# Altium PCB HAND_MULTILAYER.PcbDoc (part 3 of 3)
Units mm, origin at the board's own origin, x right, y up, seen from the top; angles counter-clockwise.
Board outline 57.4 x 57.5 mm, 4 copper layers (Top Layer, POWER, GND, Bottom Layer), stack 0.778 mm thick; 166 components, 145 nets, 650 pads, 156 vias.
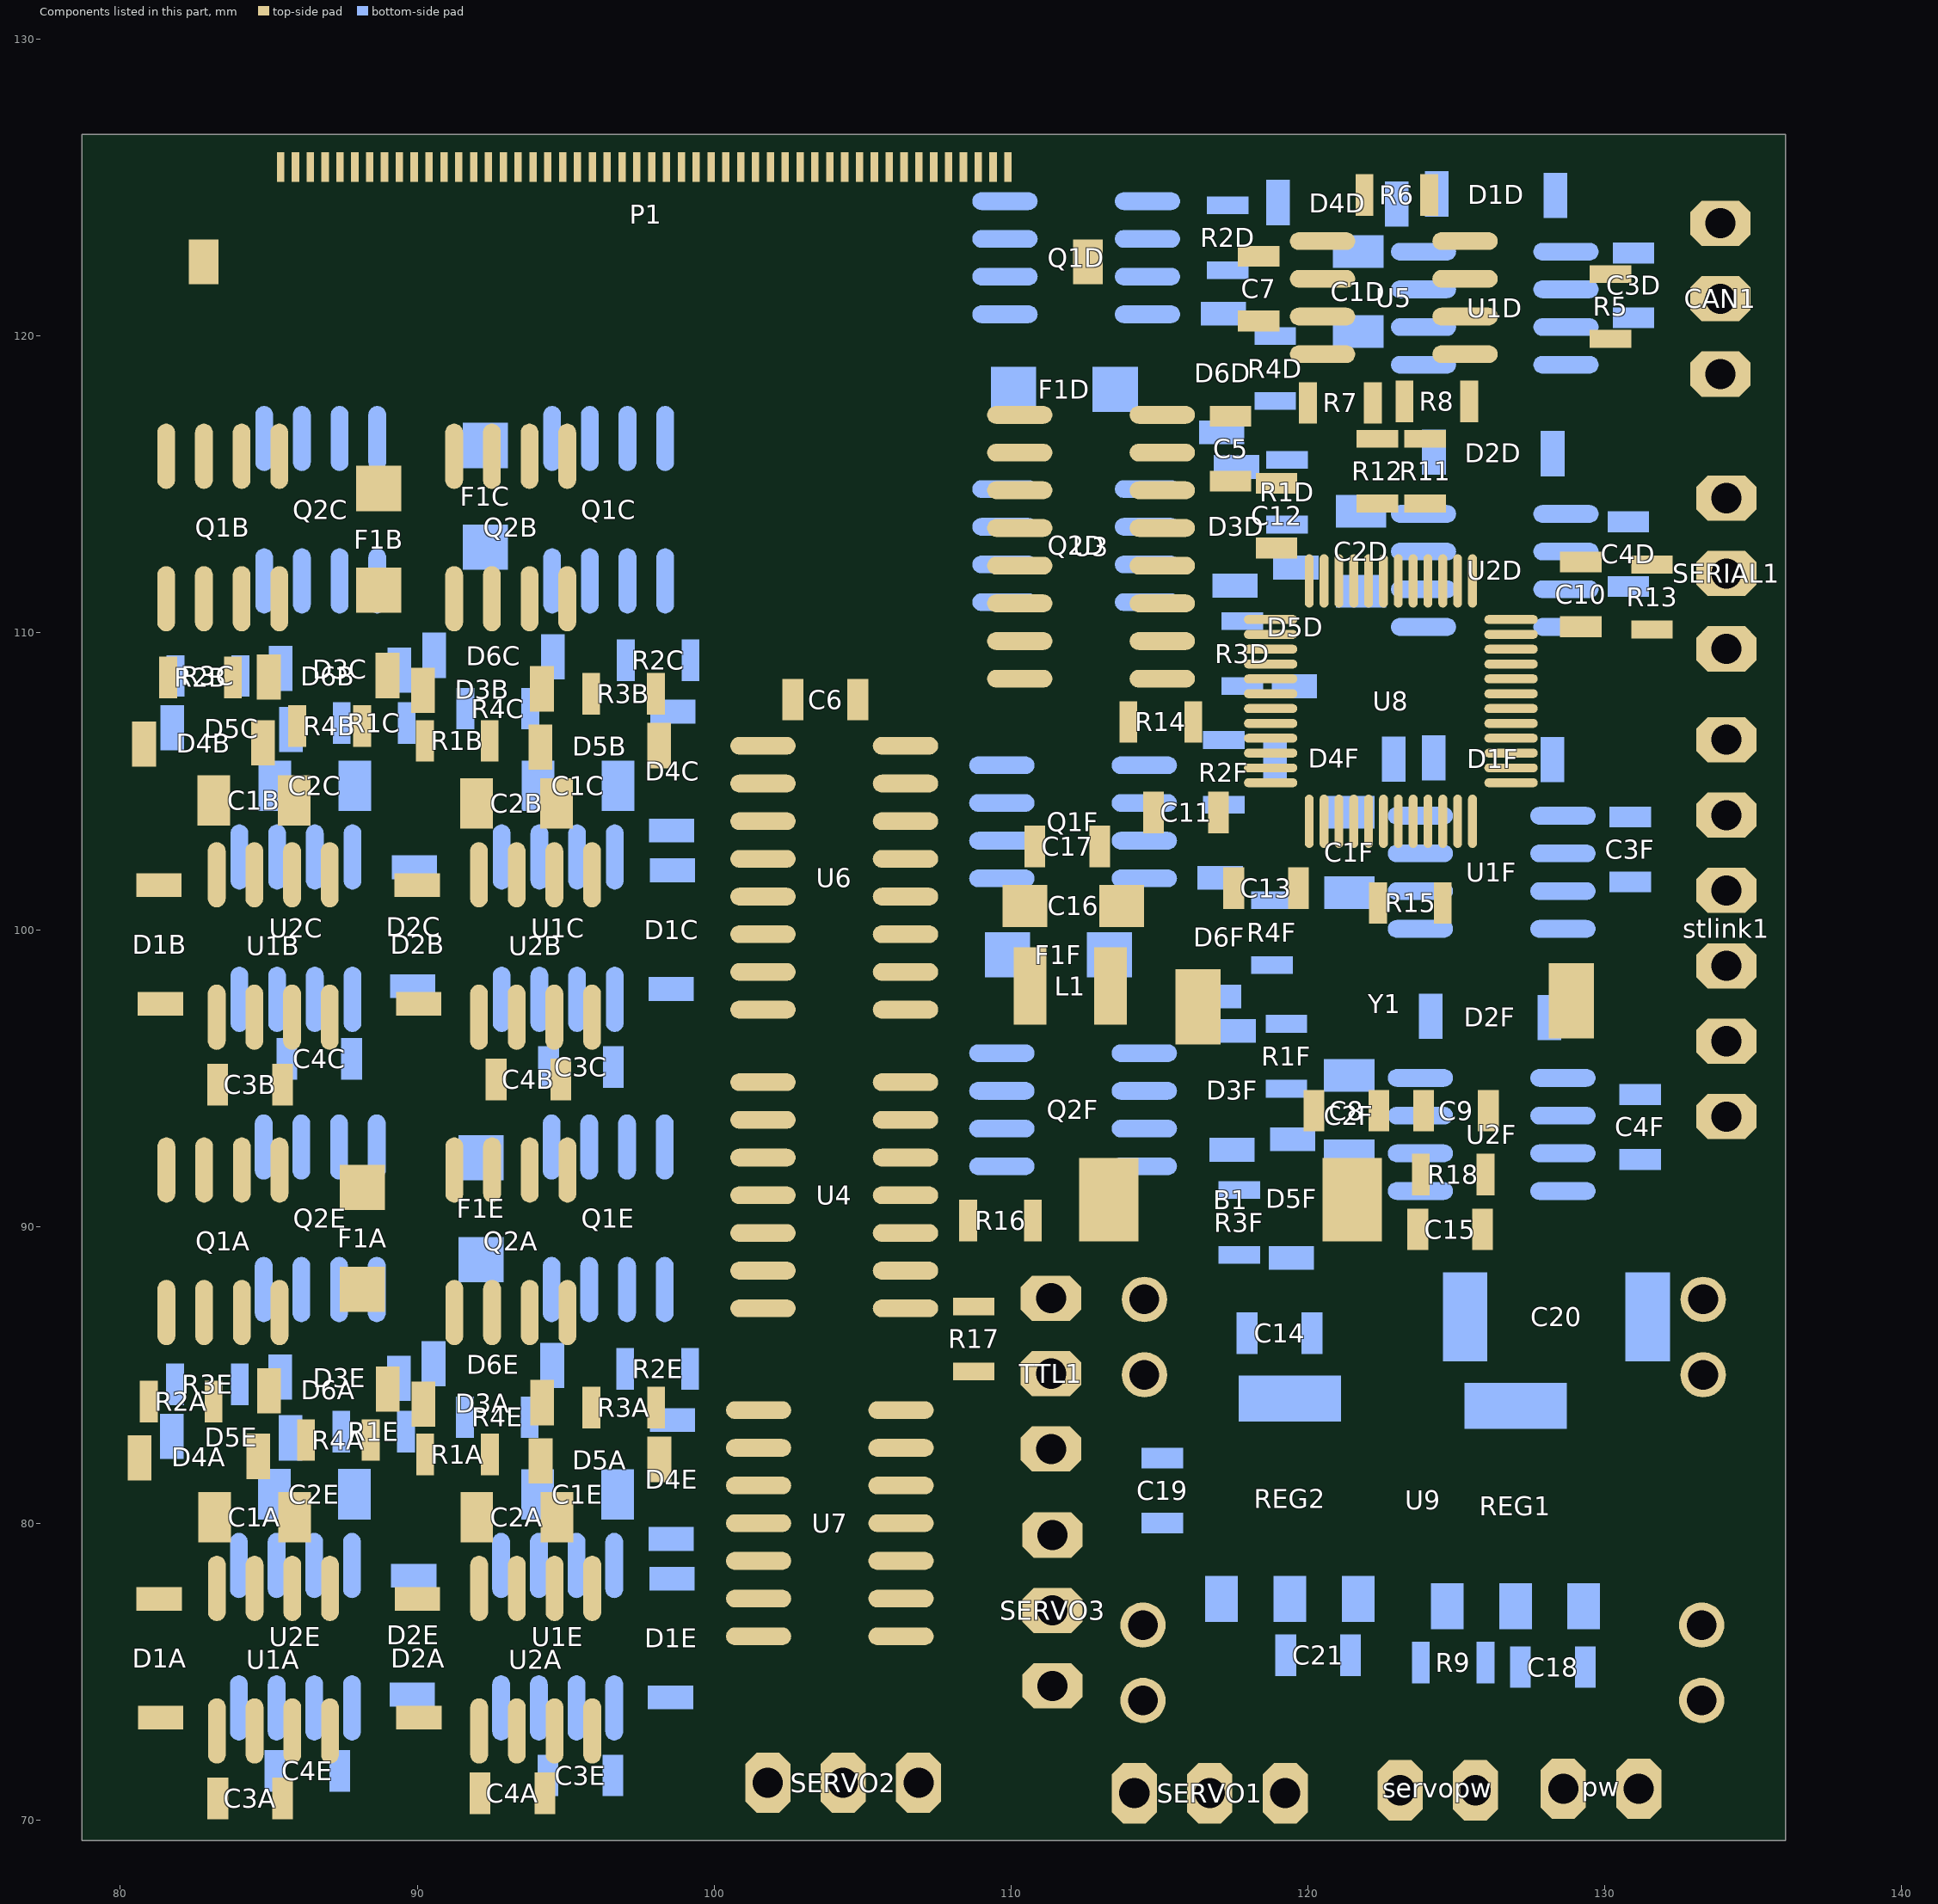
[diagram p5: the components of this part, seen from the top]

## Polygon pours and split planes (outlines as drawn) (continued)
BRIDGE_VDDA on POWER "MID_BRID_VDDA" (solid, remove dead copper, pour order 4): 135.8,91.9 135.75,91.95 131.9,91.95 131.9,96.85 130.65,98.1 112.8,98.1 112.8,126.7 112.7,126.8 78.75,126.8 78.75,69.35 78.8,69.4 135.95,69.4
GND on Bottom Layer "BOT_GND" (solid, remove dead copper, pour order 6): 78.75,126.8 136.1,126.8 136.1,69.3 78.7,69.3
GND on Top Layer "TOP_GND" (solid, remove dead copper, pour order 8): 78.75,126.8 135.95,126.8 135.95,69.45 136.1,69.3 78.95,69.3

## Keep-outs
Keep-Out Layer:
  the board outline again, w0.7

## Other copper
Top Layer:
  rectangle net GND: 120.8,77.85 123.05,79.9
  text "V1.0" at 80.75,120.45 h0.8 r90
Bottom Layer:
  rectangle net GND: 120.85,78.45 123,79.8

## Silkscreen, mask and mechanical layers (free items; w line width, h text height)
Top Overlay:
  lines w0.254: 79,128.446 79,128.954 ; 80.524,128.192 79,128.7 ; 80.524,129.208 79,128.7 ; 101.2,128.7 79,128.7 ; 114.201,128.7 136.4,128.7 ; 134.876,128.192 136.4,128.7 ; 134.876,129.208 136.4,128.7 ; 136.4,128.446 136.4,128.954 ; 138.592,70.774 139.1,69.25 ; 138.592,125.226 139.1,126.75 ; 138.846,69.25 139.354,69.25 ; 138.846,126.75 139.354,126.75 ; 139.1,91.499 139.1,69.25 ; 139.1,104.5 139.1,126.75 ; 139.608,70.774 139.1,69.25 ; 139.608,125.226 139.1,126.75
  text "57.4 (mm)" at 101.454,127.786 h1.52
  text "57.5 (mm)" at 140.014,91.753 h1.52 r90